# Altium PCB UmTRXv2.PcbDoc (part 12 of 25) (continued)
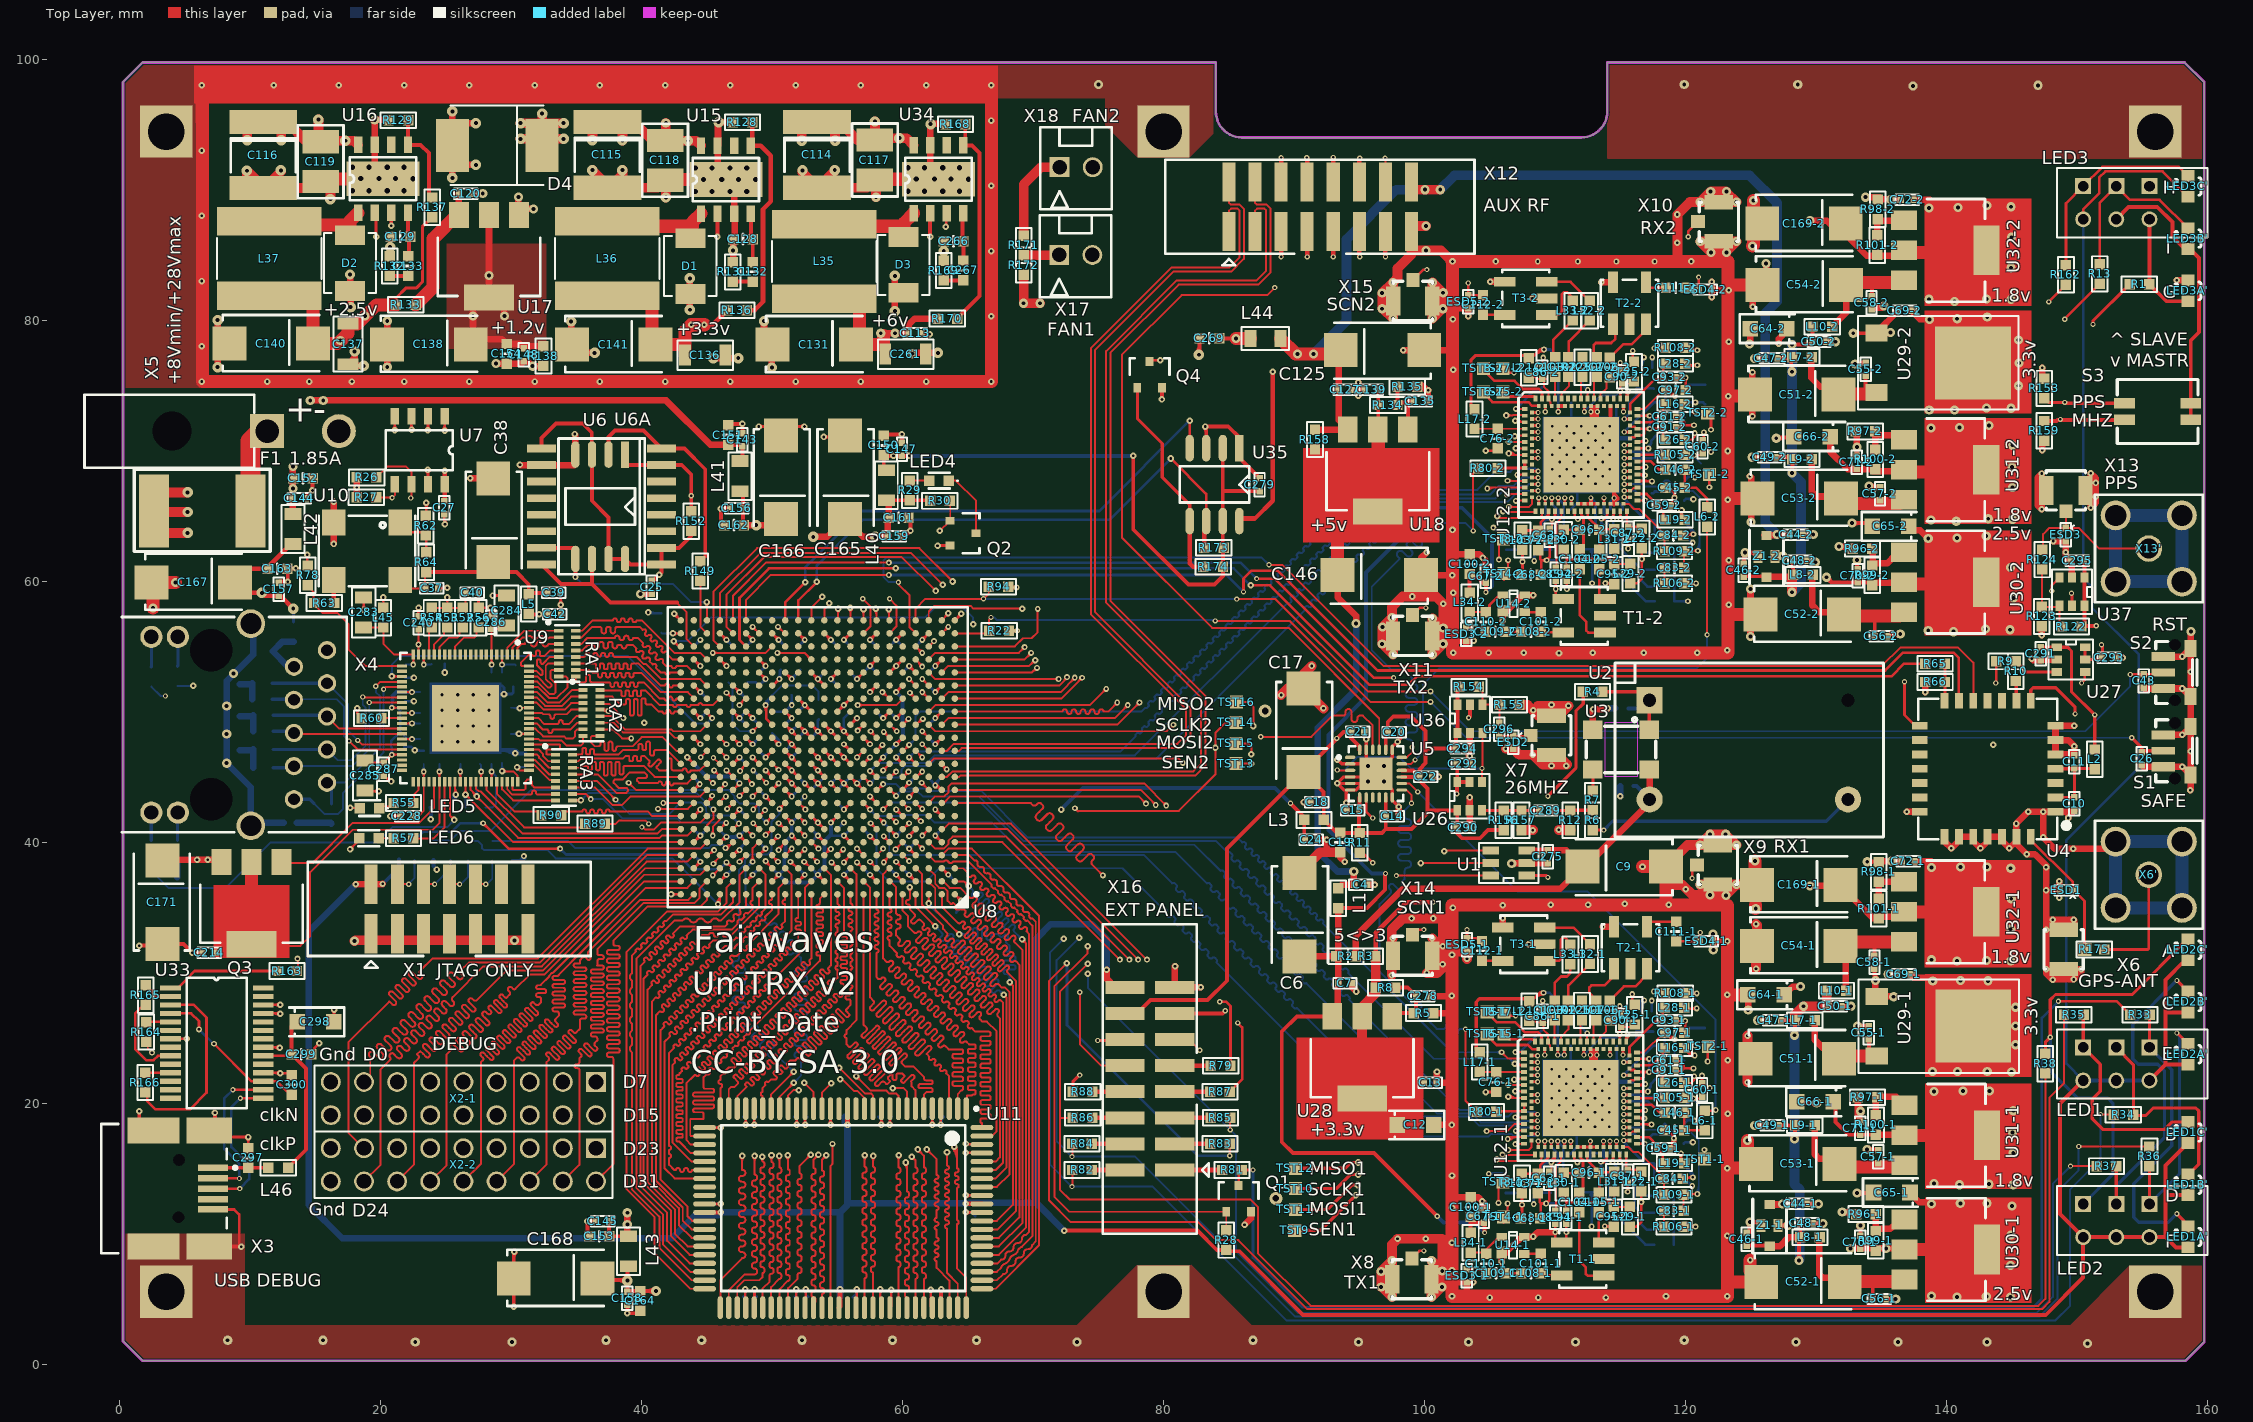
[diagram p0: Top Layer view]
## Nets (pads, with @x,y where several pads share a name; then routed paths per layer and width w, separated by ;. In a path a pad name is that pad's centre, name@x,y a point inside that pad or via, vN(x,y) a via of type N, cw(c..) or ccw(c..) an arc to the next point about the centre after c; other vN are vias at no path point) (continued)
  Bottom Layer w0.75: 128.327,26.77 128.35,26.792 ; 128.35,26.825 128.35,26.792 ; v3@128.75,8 128.75,13.375 128.35,13.775 v3(128.35,17.25) v3(128.35,25.2) 128.35,26.792 ; v3@128.965,27.407 128.35,26.792
NetC46-2_1: C46-2.1 C47-2.1 C48-2.1 C49-2.1 C50-2.1 L7-2.1 L8-2.1 L9-2.1 L10-2.1 Z1-2.3 | length 37.5
  Top Layer w0.3: C46-2.1@124.49,60.376 125.99,60.376 Z1-2.3@126.04,60.326 ; C49-2.1@126.988,69.516 128.184,69.516 128.184,68.334 v3(128.15,68.3) ; C47-2.1@127.096,77.066 L7-2.1@128.1,77.066 ; L7-2.1@128.1,77.1 L7-2.1@128.1,77.066 ; L7-2.1@128.14,77.076 128.13,77.066 L7-2.1@128.1,77.066 ; L8-2.1@128.15,60.386 L8-2.1@128.24,60.476 C48-2.1@128.24,61.526 ; v3(128.15,76.05) 128.1,76.1 L7-2.1@128.1,77.066 ; v3(128.15,78.15) 129.525,78.15 C50-2.1@129.725,78.35 L10-2.1@129.725,79.5 ; v3@128.009,68.441 ccw(c127.584,68.866) 128.184,68.866 ; v3@128.009,68.441 ccw(c127.584,68.866) 128.184,68.866 ; v3@128.009,68.441 ccw(c127.584,68.866) 128.184,68.866 ; v3@128.009,76.191 ccw(c127.788,76.412) 128.1,76.412 ; v3@128.009,76.191 ccw(c127.788,76.412) 128.1,76.412 ; v3@128.009,76.191 ccw(c127.788,76.412) 128.1,76.412 ; 128.1,76.654 ccw(c128.754,76.654) v3@128.291,76.191 ; 128.1,76.654 ccw(c128.754,76.654) v3@128.291,76.191 ; 128.1,76.654 ccw(c128.754,76.654) v3@128.291,76.191 ; 128.184,68.7 ccw(c128.55,68.7) v3@128.291,68.441 ; 128.184,68.7 ccw(c128.55,68.7) v3@128.291,68.441 ; 128.184,68.7 ccw(c128.55,68.7) v3@128.291,68.441
  Top Layer w0.5: Z1-2.3@126.04,60.326 L8-2.1@128.04,60.326
  Top Layer w0.75: v3(128.15,59.15) L8-2.1@128.15,60.386
  Bottom Layer w0.75: v3(128.15,59.15) 128.85,59.85 128.85,67.6 v3(128.15,68.3) v3(128.15,76.05) v3(128.15,78.15)
NetC51-1_1: C51-1.1 C55-1.1 L7-1.2 U29-1.3 | length 7.9
  Top Layer w0.3: U29-1.3@134.05,23.745 C55-1.1@134.05,24.9 ; U29-1.3@134.512,23.613 U29-1.3@134.644,23.745
  Top Layer w0.5: L7-1.2@129.89,26.363 129.89,24.868 C51-1.1@130.57,24.187 ; C51-1.1@130.791,23.613 C51-1.1@132.74,23.613
  Top Layer w1: C51-1.1@132.44,23.313 132.74,23.613 U29-1.3@134.512,23.613
NetC51-2_1: C51-2.1 C55-2.1 L7-2.2 U29-2.3 | length 7.8
  Top Layer w0.3: U29-2.3@133.8,74.75 C55-2.1@133.8,75.75 C55-2.1@133.8,75.803 ; U29-2.3@134.262,74.326 U29-2.3@134.394,74.458
  Top Layer w0.5: L7-2.2@129.64,77.076 129.64,75.581 130.32,74.9 C51-2.1@132.27,74.9
  Top Layer w1: C51-2.1@132.19,74.026 132.49,74.326 U29-2.3@134.262,74.326
NetC52-1_1: C52-1.1 C56-1.1 L8-1.2 U30-1.3 | length 9.6
  Top Layer w0.3: C56-1.1@134.348,4.989 134.348,6.291 ; 134.802,6.409 134.865,6.346
  Top Layer w0.5: L8-1.2@130.25,9.631 130.25,6.868 130.491,6.627 C52-1.1@131.222,6.627
  Top Layer w1: C52-1.1@132.505,6.346 134.865,6.346 136.655,6.346 U30-1.3@136.79,6.481
NetC52-2_1: C52-2.1 C56-2.1 L8-2.2 U30-2.3 | length 10.9
  Top Layer w0.3: C56-2.1@134.498,55.794 134.498,57.096 ; 134.552,57.404 134.615,57.341
  Top Layer w0.5: L8-2.2@129.69,60.476 129.69,58.173 130.241,57.623 130.972,57.623 C52-2.1@131.946,56.648
  Top Layer w1: C52-2.1@132.255,57.341 134.615,57.341 136.405,57.341 U30-2.3@136.54,57.476
NetC53-1_1: C53-1.1 C57-1.1 L9-1.2 U31-1.3 | length 8.9
  Top Layer w0.3: 134.729,15.024 134.794,15.089
  Top Layer w0.5: L9-1.2@129.884,18.316 129.884,16.094 130.239,15.739 C53-1.1@131.578,15.739 ; C53-1.1@131.628,15.089 C53-1.1@132.34,14.377
  Top Layer w1: C53-1.1@133.083,15.089 134.794,15.089 136.652,15.089 U31-1.3@136.79,15.227
NetC53-2_1: C53-2.1 C57-2.1 L9-2.2 U31-2.3 | length 8.4
  Top Layer w0.3: 134.479,65.874 134.544,65.939
  Top Layer w0.5: L9-2.2@129.684,69.516 129.684,66.843 130.039,66.489 C53-2.1@131.378,66.489
  Top Layer w1: C53-2.1@132.833,65.939 134.544,65.939 136.402,65.939 U31-2.3@136.54,66.076
NetC54-1_1: C54-1.1 C58-1.1 L10-1.2 U32-1.3 | length 8.9
  Top Layer w0.3: C58-1.1@134.477,31.311 134.477,32.356
  Top Layer w0.5: L10-1.2@132.29,28.65 C54-1.1@132.29,32.006
  Top Layer w1: C54-1.1@132.29,32.356 134.477,32.356 U32-1.3@136.74,32.356
NetC54-2_1: C54-2.1 C58-2.1 L10-2.2 U32-2.3 | length 9.5
  Top Layer w0.3: C58-2.1@134.287,81.855 134.287,82.9
  Top Layer w0.5: L10-2.2@131.225,79.5 132.3,80.575 C54-2.1@132.3,82.7
  Top Layer w1: C54-2.1@132.1,82.55 132.1,82.9 134.287,82.9 U32-2.3@136.55,82.9
NetC59-1_2: C59-1.2 L19-1.1 U12-1.61 | length 3.2
  Top Layer w0.2: U12-1.61@116.282,17.388 117.187,17.388 117.825,16.75 117.825,16.544 118.257,16.112 118.257,15.738 L19-1.1@118.407,15.588
NetC59-2_2: C59-2.2 L19-2.1 U12-2.61 | length 3.1
  Top Layer w0.2: U12-2.61@116.321,66.68 117.02,66.68 118.296,65.404 118.296,65.03 L19-2.1@118.446,64.88
NetC60-1_2: C60-1.2 L18-1.1 R104-1.1 R105-1.1 | length 11.4
  Top Layer w0.15: R105-1.1@119.962,20.358 v2(120.611,20.358) C60-1.2@121.211,20.358 ; C60-1.2@121.211,20.558 C60-1.2@121.261,20.508 ; R105-1.1@120.249,20.358 cw(c120.249,19.996) v2@120.505,20.252 ; R105-1.1@120.249,20.358 ccw(c120.249,20.72) v2@120.505,20.464 ; R105-1.1@120.249,20.358 ccw(c120.249,20.72) v2@120.505,20.464 ; R105-1.1@120.249,20.358 cw(c120.249,19.996) v2@120.505,20.252 ; R105-1.1@120.249,20.358 ccw(c120.249,20.72) v2@120.505,20.464 ; R105-1.1@120.249,20.358 cw(c120.249,19.996) v2@120.505,20.252 ; v2@120.717,20.252 cw(c120.973,19.996) 120.973,20.358 ; v2@120.717,20.252 cw(c120.973,19.996) 120.973,20.358 ; v2@120.717,20.252 cw(c120.973,19.996) 120.973,20.358 ; v2@120.717,20.464 ccw(c120.973,20.72) 120.973,20.358 ; v2@120.717,20.464 ccw(c120.973,20.72) 120.973,20.358 ; v2@120.717,20.464 ccw(c120.973,20.72) 120.973,20.358
  Bottom Layer w0.15: R104-1.1@120.061,20.008 120.211,20.008 120.561,20.358 v2(120.611,20.358) ; L18-1.1@121.161,19.708 120.611,20.258 v2(120.611,20.358) ; R104-1.1@120.27,20.067 cw(c120.611,19.725) v2@120.611,20.208 ; R104-1.1@120.27,20.067 cw(c120.611,19.725) v2@120.611,20.208 ; R104-1.1@120.27,20.067 cw(c120.611,19.725) v2@120.611,20.208 ; 120.39,20.188 ccw(c120.22,20.358) v2@120.461,20.358 ; 120.39,20.188 ccw(c120.22,20.358) v2@120.461,20.358 ; 120.39,20.188 ccw(c120.22,20.358) v2@120.461,20.358 ; 120.392,20.15 ccw(c120.311,20.454) v2(120.611,20.358) ; 120.392,20.15 ccw(c120.311,20.454) v2(120.611,20.358) ; 120.392,20.15 ccw(c120.311,20.454) v2(120.611,20.358) ; v2(120.611,20.358) cw(c120.466,20.013) 120.828,20.11 ; v2(120.611,20.358) cw(c120.466,20.013) 120.828,20.11 ; v2(120.611,20.358) cw(c120.466,20.013) 120.828,20.11 ; v2@120.761,20.358 ccw(c121.365,20.358) L18-1.1@120.938,19.931 ; v2@120.761,20.358 ccw(c121.365,20.358) L18-1.1@120.938,19.931 ; v2@120.761,20.358 ccw(c121.365,20.358) L18-1.1@120.938,19.931
NetC60-2_2: C60-2.2 L18-2.1 R104-2.1 R105-2.1 | length 11.4
  Top Layer w0.15: R105-2.1@120.001,69.65 v2(120.65,69.65) C60-2.2@121.25,69.65 ; C60-2.2@121.25,69.85 C60-2.2@121.3,69.8 ; R105-2.1@120.288,69.65 cw(c120.288,69.288) v2@120.544,69.544 ; R105-2.1@120.288,69.65 ccw(c120.288,70.012) v2@120.544,69.756 ; R105-2.1@120.288,69.65 ccw(c120.288,70.012) v2@120.544,69.756 ; R105-2.1@120.288,69.65 cw(c120.288,69.288) v2@120.544,69.544 ; R105-2.1@120.288,69.65 ccw(c120.288,70.012) v2@120.544,69.756 ; R105-2.1@120.288,69.65 cw(c120.288,69.288) v2@120.544,69.544 ; v2@120.756,69.544 cw(c121.012,69.288) 121.012,69.65 ; v2@120.756,69.544 cw(c121.012,69.288) 121.012,69.65 ; v2@120.756,69.544 cw(c121.012,69.288) 121.012,69.65 ; v2@120.756,69.756 ccw(c121.012,70.012) 121.012,69.65 ; v2@120.756,69.756 ccw(c121.012,70.012) 121.012,69.65 ; v2@120.756,69.756 ccw(c121.012,70.012) 121.012,69.65
  Bottom Layer w0.15: R104-2.1@120.1,69.3 120.25,69.3 120.6,69.65 v2(120.65,69.65) ; L18-2.1@121.2,69 120.65,69.55 v2(120.65,69.65) ; R104-2.1@120.309,69.359 cw(c120.65,69.017) v2@120.65,69.5 ; R104-2.1@120.309,69.359 cw(c120.65,69.017) v2@120.65,69.5 ; R104-2.1@120.309,69.359 cw(c120.65,69.017) v2@120.65,69.5 ; 120.429,69.479 ccw(c120.259,69.65) v2@120.5,69.65 ; 120.429,69.479 ccw(c120.259,69.65) v2@120.5,69.65 ; 120.429,69.479 ccw(c120.259,69.65) v2@120.5,69.65 ; 120.431,69.441 ccw(c120.35,69.746) v2(120.65,69.65) ; 120.431,69.441 ccw(c120.35,69.746) v2(120.65,69.65) ; 120.431,69.441 ccw(c120.35,69.746) v2(120.65,69.65) ; v2(120.65,69.65) cw(c120.505,69.305) 120.867,69.402 ; v2(120.65,69.65) cw(c120.505,69.305) 120.867,69.402 ; v2(120.65,69.65) cw(c120.505,69.305) 120.867,69.402 ; v2@120.8,69.65 ccw(c121.404,69.65) L18-2.1@120.977,69.223 ; v2@120.8,69.65 ccw(c121.404,69.65) L18-2.1@120.977,69.223 ; v2@120.8,69.65 ccw(c121.404,69.65) L18-2.1@120.977,69.223
NetC61-1_2: C61-1.2 L16-1.1 U12-1.83 | length 3.2
  Top Layer w0.2: U12-1.83@116.282,22.888 117.407,22.888 117.707,23.188 118.257,23.188 118.257,24.038 L16-1.1@118.407,24.188
NetC61-2_2: C61-2.2 L16-2.1 U12-2.83 | length 3.2
  Top Layer w0.2: U12-2.83@116.321,72.18 117.446,72.18 117.746,72.48 118.296,72.48 118.296,73.33 L16-2.1@118.446,73.48
NetC62-1_2: C62-1.2 L11-1.1 U12-1.35 | length 4.5
  Top Layer w0.2: U12-1.35@109.707,16.638 v4@109.707,17.063 ; v4@109.636,17.017 cw(c109.466,16.847) 109.707,16.847 ; v4@109.636,17.017 cw(c109.466,16.847) 109.707,16.847 ; v4@109.636,17.017 cw(c109.466,16.847) 109.707,16.847 ; 109.707,16.847 cw(c109.948,16.847) v4@109.778,17.017 ; 109.707,16.847 cw(c109.948,16.847) v4@109.778,17.017 ; 109.707,16.847 cw(c109.948,16.847) v4@109.778,17.017
  Bottom Layer w0.2: L11-1.1@109.657,14.638 110.211,15.192 110.211,16.134 109.707,16.638 v4(109.707,17.088) v4@109.657,17.038
NetC62-2_2: C62-2.2 L11-2.1 U12-2.35 | length 4.5
  Top Layer w0.2: U12-2.35@109.746,65.93 v4@109.746,66.355 ; v4@109.675,66.309 cw(c109.505,66.138) 109.746,66.138 ; v4@109.675,66.309 cw(c109.505,66.138) 109.746,66.138 ; v4@109.675,66.309 cw(c109.505,66.138) 109.746,66.138 ; 109.746,66.138 cw(c109.987,66.138) v4@109.817,66.309 ; 109.746,66.138 cw(c109.987,66.138) v4@109.817,66.309 ; 109.746,66.138 cw(c109.987,66.138) v4@109.817,66.309
  Bottom Layer w0.2: L11-2.1@109.696,63.93 110.25,64.484 110.25,65.4 C62-2.2@110.175,65.475 109.746,65.904 v4(109.746,66.38) v4@109.696,66.33
NetC63-1_2: C63-1.2 L20-1.1 U12-1.33 U12-1.36 | length 15.3
  Top Layer w0.15: C63-1.2@109.557,14.738 109.711,14.892 v2(109.711,15.458) ; v2@109.605,15.352 cw(c109.349,15.096) 109.711,15.096 ; v2@109.605,15.352 cw(c109.349,15.096) 109.711,15.096 ; v2@109.605,15.352 cw(c109.349,15.096) 109.711,15.096 ; 109.711,15.096 cw(c110.073,15.096) v2@109.817,15.352 ; 109.711,15.096 cw(c110.073,15.096) v2@109.817,15.352 ; 109.711,15.096 cw(c110.073,15.096) v2@109.817,15.352
  Top Layer w0.2: U12-1.33@109.207,16.638 v4@109.207,17.063 ; v2(109.711,15.458) 109.761,15.408 109.957,15.604 ; v4@109.136,17.017 cw(c108.966,16.847) 109.207,16.847 ; v4@109.136,17.017 cw(c108.966,16.847) 109.207,16.847 ; v4@109.136,17.017 cw(c108.966,16.847) 109.207,16.847 ; 109.207,16.847 cw(c109.448,16.847) v4@109.278,17.017 ; 109.207,16.847 cw(c109.448,16.847) v4@109.278,17.017 ; 109.207,16.847 cw(c109.448,16.847) v4@109.278,17.017 ; v2@109.654,15.57 ccw(c109.403,16.063) U12-1.36@109.957,16.063 ; v2@109.654,15.57 ccw(c109.403,16.063) U12-1.36@109.957,16.063 ; v2@109.654,15.57 ccw(c109.403,16.063) U12-1.36@109.957,16.063 ; v2@109.745,15.391 ccw(c109.569,15.737) 109.957,15.737 ; v2@109.745,15.391 ccw(c109.569,15.737) 109.957,15.737 ; v2@109.745,15.391 ccw(c109.569,15.737) 109.957,15.737 ; v2@109.765,15.571 ccw(c109.837,15.724) 109.957,15.604 ; v2@109.765,15.571 ccw(c109.837,15.724) 109.957,15.604 ; v2@109.765,15.571 ccw(c109.837,15.724) 109.957,15.604 ; v2@109.824,15.511 cw(c110.025,15.605) 109.877,15.77 ; v2@109.824,15.511 cw(c110.025,15.605) 109.877,15.77 ; v2@109.824,15.511 cw(c110.025,15.605) 109.877,15.77 ; 109.957,15.604 U12-1.36@109.957,16.063
  Bottom Layer w0.15: v4(109.207,17.088) 109.211,17.084 109.211,15.408 ; v4@109.119,17 cw(c108.895,16.777) 109.211,16.777 ; v4@109.119,17 cw(c108.895,16.777) 109.211,16.777 ; v4@109.119,17 cw(c108.895,16.777) 109.211,16.777 ; 109.211,16.796 cw(c109.499,16.796) v4@109.295,17 ; 109.211,16.796 cw(c109.499,16.796) v4@109.295,17 ; 109.211,16.796 cw(c109.499,16.796) v4@109.295,17
  Bottom Layer w0.2: L20-1.1@108.557,14.638 108.557,14.704 109.211,15.358 109.211,15.408 109.761,15.408 v2(109.711,15.458) ; 109.289,15.408 ccw(c109.289,15.88) v2@109.623,15.547 ; 109.289,15.408 ccw(c109.289,15.88) v2@109.623,15.547 ; 109.289,15.408 ccw(c109.289,15.88) v2@109.623,15.547
NetC63-2_2: C63-2.2 L20-2.1 U12-2.33 U12-2.36 | length 12.6
  Top Layer w0.15: C63-2.2@109.596,64.03 109.75,64.184 v2(109.75,64.75) ; v2@109.644,64.644 cw(c109.388,64.388) 109.75,64.388 ; v2@109.644,64.644 cw(c109.388,64.388) 109.75,64.388 ; v2@109.644,64.644 cw(c109.388,64.388) 109.75,64.388 ; 109.75,64.388 cw(c110.112,64.388) v2@109.856,64.644 ; 109.75,64.388 cw(c110.112,64.388) v2@109.856,64.644 ; 109.75,64.388 cw(c110.112,64.388) v2@109.856,64.644
  Top Layer w0.2: U12-2.33@109.246,65.93 v4@109.246,66.355 ; v2(109.75,64.75) 109.8,64.7 109.996,64.896 ; U12-2.36@109.996,65.355 109.996,64.896 ; v4@109.175,66.309 cw(c109.005,66.138) 109.246,66.138 ; v4@109.175,66.309 cw(c109.005,66.138) 109.246,66.138 ; v4@109.175,66.309 cw(c109.005,66.138) 109.246,66.138 ; 109.246,66.138 cw(c109.487,66.138) v4@109.317,66.309 ; 109.246,66.138 cw(c109.487,66.138) v4@109.317,66.309 ; 109.246,66.138 cw(c109.487,66.138) v4@109.317,66.309 ; v2@109.784,64.683 ccw(c109.608,65.029) 109.996,65.029 ; v2@109.784,64.683 ccw(c109.608,65.029) 109.996,65.029 ; v2@109.784,64.683 ccw(c109.608,65.029) 109.996,65.029 ; v2@109.804,64.863 ccw(c109.876,65.016) 109.996,64.896 ; v2@109.804,64.863 ccw(c109.876,65.016) 109.996,64.896 ; v2@109.804,64.863 ccw(c109.876,65.016) 109.996,64.896
  Bottom Layer w0.15: v4(109.246,66.38) 109.25,66.376 109.25,64.7 ; v4@109.158,66.291 cw(c108.934,66.068) 109.25,66.068 ; v4@109.158,66.291 cw(c108.934,66.068) 109.25,66.068 ; v4@109.158,66.291 cw(c108.934,66.068) 109.25,66.068 ; 109.25,66.088 cw(c109.538,66.088) v4@109.334,66.291 ; 109.25,66.088 cw(c109.538,66.088) v4@109.334,66.291 ; 109.25,66.088 cw(c109.538,66.088) v4@109.334,66.291
  Bottom Layer w0.2: L20-2.1@108.596,63.93 108.596,63.996 109.25,64.65 109.25,64.7 109.8,64.7 v2(109.75,64.75) ; 109.328,64.7 ccw(c109.328,65.172) v2@109.662,64.838 ; 109.328,64.7 ccw(c109.328,65.172) v2@109.662,64.838 ; 109.328,64.7 ccw(c109.328,65.172) v2@109.662,64.838
NetC73-1_1: C73-1.1 C78-1.1 L14-1.2 U12-1.60 | length 7.1
  Top Layer w0.2: v4@115.282,17.138 U12-1.60@115.707,17.138 ; v4@115.328,17.067 cw(c115.498,16.897) 115.498,17.138 ; v4@115.328,17.067 cw(c115.498,16.897) 115.498,17.138 ; v4@115.328,17.067 cw(c115.498,16.897) 115.498,17.138 ; v4@115.328,17.209 ccw(c115.498,17.379) 115.498,17.138 ; v4@115.328,17.209 ccw(c115.498,17.379) 115.498,17.138 ; v4@115.328,17.209 ccw(c115.498,17.379) 115.498,17.138
  Bottom Layer w0.2: v4(115.257,17.138) 115.257,17.038 116.907,15.388 C73-1.1@117.557,15.388 117.607,15.338 L14-1.2@117.607,14.088 ; v4@115.357,17.138 ccw(c115.84,17.138) 115.498,16.797 ; v4@115.357,17.138 ccw(c115.84,17.138) 115.498,16.797 ; v4@115.357,17.138 ccw(c115.84,17.138) 115.498,16.797
NetC73-2_1: C73-2.1 C78-2.1 L14-2.2 U12-2.60 | length 7.1
  Top Layer w0.2: v4@115.321,66.43 U12-2.60@115.746,66.43 ; v4@115.367,66.359 cw(c115.537,66.188) 115.537,66.43 ; v4@115.367,66.359 cw(c115.537,66.188) 115.537,66.43 ; v4@115.367,66.359 cw(c115.537,66.188) 115.537,66.43 ; v4@115.367,66.501 ccw(c115.537,66.671) 115.537,66.43 ; v4@115.367,66.501 ccw(c115.537,66.671) 115.537,66.43 ; v4@115.367,66.501 ccw(c115.537,66.671) 115.537,66.43
  Bottom Layer w0.2: v4(115.296,66.43) 115.296,66.33 116.946,64.68 C73-2.1@117.596,64.68 117.646,64.63 L14-2.2@117.646,63.38 ; v4@115.396,66.43 ccw(c115.879,66.43) 115.537,66.088 ; v4@115.396,66.43 ccw(c115.879,66.43) 115.537,66.088 ; v4@115.396,66.43 ccw(c115.879,66.43) 115.537,66.088
NetC74-1_1: C74-1.1 L12-1.2 U12-1.37 | length 6.2
  Top Layer w0.2: U12-1.37@110.207,16.638 v4@110.207,17.063 ; v4@110.136,17.017 cw(c109.966,16.847) 110.207,16.847 ; v4@110.136,17.017 cw(c109.966,16.847) 110.207,16.847 ; v4@110.136,17.017 cw(c109.966,16.847) 110.207,16.847 ; 110.207,16.847 cw(c110.448,16.847) v4@110.278,17.017 ; 110.207,16.847 cw(c110.448,16.847) v4@110.278,17.017 ; 110.207,16.847 cw(c110.448,16.847) v4@110.278,17.017
  Bottom Layer w0.2: v4(110.207,17.088) 110.207,17.022 110.636,16.593 110.636,14.759 C74-1.1@110.757,14.638 L12-1.2@111.757,14.638 ; v4@110.307,17.088 ccw(c110.707,17.088) 110.424,16.805 ; v4@110.307,17.088 ccw(c110.707,17.088) 110.424,16.805 ; v4@110.307,17.088 ccw(c110.707,17.088) 110.424,16.805
NetC74-2_1: C74-2.1 L12-2.2 U12-2.37 | length 6.2
  Top Layer w0.2: U12-2.37@110.246,65.93 v4@110.246,66.355 ; v4@110.175,66.309 cw(c110.005,66.138) 110.246,66.138 ; v4@110.175,66.309 cw(c110.005,66.138) 110.246,66.138 ; v4@110.175,66.309 cw(c110.005,66.138) 110.246,66.138 ; 110.246,66.138 cw(c110.487,66.138) v4@110.317,66.309 ; 110.246,66.138 cw(c110.487,66.138) v4@110.317,66.309 ; 110.246,66.138 cw(c110.487,66.138) v4@110.317,66.309
  Bottom Layer w0.2: v4(110.246,66.38) 110.246,66.314 110.675,65.885 110.675,64.051 C74-2.1@110.796,63.93 L12-2.2@111.796,63.93 ; v4@110.346,66.38 ccw(c110.746,66.38) 110.463,66.097 ; v4@110.346,66.38 ccw(c110.746,66.38) 110.463,66.097 ; v4@110.346,66.38 ccw(c110.746,66.38) 110.463,66.097
NetC75-1_1: C75-1.1 C79-1.1 L15-1.2 U12-1.84 | length 6.8
  Top Layer w0.2: v4@115.282,23.138 U12-1.84@115.707,23.138 ; v4@115.328,23.067 cw(c115.498,22.897) 115.498,23.138 ; v4@115.328,23.067 cw(c115.498,22.897) 115.498,23.138 ; v4@115.328,23.067 cw(c115.498,22.897) 115.498,23.138 ; v4@115.328,23.209 ccw(c115.498,23.379) 115.498,23.138 ; v4@115.328,23.209 ccw(c115.498,23.379) 115.498,23.138 ; v4@115.328,23.209 ccw(c115.498,23.379) 115.498,23.138
  Bottom Layer w0.2: v4(115.257,23.138) 115.707,23.588 115.707,24.289 116.207,24.789 116.207,25.488 117.481,25.488 L15-1.2@117.511,25.458 ; v4@115.257,23.238 ccw(c115.257,23.479) 115.428,23.309 ; v4@115.257,23.238 ccw(c115.257,23.479) 115.428,23.309 ; v4@115.257,23.238 ccw(c115.257,23.479) 115.428,23.309 ; v4@115.357,23.138 cw(c115.598,23.138) 115.428,23.309 ; v4@115.357,23.138 cw(c115.598,23.138) 115.428,23.309 ; v4@115.357,23.138 cw(c115.598,23.138) 115.428,23.309
NetC75-2_1: C75-2.1 C79-2.1 L15-2.2 U12-2.84 | length 6.8
  Top Layer w0.2: v4@115.321,72.43 U12-2.84@115.746,72.43 ; v4@115.367,72.359 cw(c115.537,72.188) 115.537,72.43 ; v4@115.367,72.359 cw(c115.537,72.188) 115.537,72.43 ; v4@115.367,72.359 cw(c115.537,72.188) 115.537,72.43 ; v4@115.367,72.501 ccw(c115.537,72.671) 115.537,72.43 ; v4@115.367,72.501 ccw(c115.537,72.671) 115.537,72.43 ; v4@115.367,72.501 ccw(c115.537,72.671) 115.537,72.43
  Bottom Layer w0.2: v4(115.296,72.43) 115.675,72.809 115.675,73.644 116.246,74.215 116.246,74.78 117.52,74.78 L15-2.2@117.55,74.75 ; v4@115.296,72.53 ccw(c115.296,72.771) 115.467,72.601 ; v4@115.296,72.53 ccw(c115.296,72.771) 115.467,72.601 ; v4@115.296,72.53 ccw(c115.296,72.771) 115.467,72.601 ; v4@115.396,72.43 cw(c115.637,72.43) 115.467,72.601 ; v4@115.396,72.43 cw(c115.637,72.43) 115.467,72.601 ; v4@115.396,72.43 cw(c115.637,72.43) 115.467,72.601
NetC76-1_1: C76-1.1 L17-1.2 U12-1.7 | length 3.1
  Top Layer w0.15: L17-1.2@104.562,22.405 104.579,22.388 C76-1.1@105.295,22.388 ; C76-1.1@105.295,22.388 U12-1.7@107.632,22.388
NetC76-2_1: C76-2.1 L17-2.2 U12-2.7 | length 3.8
  Top Layer w0.15: L17-2.2@103.825,71.679 105.334,71.679 U12-2.7@107.671,71.68
NetC77-1_1: C77-1.1 R103-1.2 U12-1.34 | length 2.9
  Top Layer w0.2: R103-1.2@107.607,14.588 C77-1.1@108.657,14.588 108.791,14.588 108.861,14.658 108.861,15.209 109.457,15.805 U12-1.34@109.457,16.063
NetC77-2_1: C77-2.1 R103-2.2 U12-2.34 | length 2.9
  Top Layer w0.2: R103-2.2@107.646,63.88 C77-2.1@108.696,63.88 108.83,63.88 108.9,63.95 108.9,64.501 109.496,65.097 U12-2.34@109.496,65.355
NetC80-1_1: C80-1.1 L13-1.2 U12-1.74 | length 5.9
  Top Layer w0.2: v4@115.282,20.638 U12-1.74@115.707,20.638 ; v4@115.328,20.567 cw(c115.498,20.397) 115.498,20.638 ; v4@115.328,20.567 cw(c115.498,20.397) 115.498,20.638 ; v4@115.328,20.567 cw(c115.498,20.397) 115.498,20.638 ; v4@115.328,20.709 ccw(c115.498,20.879) 115.498,20.638 ; v4@115.328,20.709 ccw(c115.498,20.879) 115.498,20.638 ; v4@115.328,20.709 ccw(c115.498,20.879) 115.498,20.638
  Bottom Layer w0.2: v4(115.257,20.638) 116.457,20.638 116.632,20.463 117.482,20.463 117.807,20.788 L13-1.2@118.257,20.788 ; v4@115.328,20.567 cw(c115.498,20.397) 115.498,20.638 ; v4@115.328,20.567 cw(c115.498,20.397) 115.498,20.638 ; v4@115.328,20.567 cw(c115.498,20.397) 115.498,20.638 ; v4@115.328,20.709 ccw(c115.498,20.879) 115.498,20.638 ; v4@115.328,20.709 ccw(c115.498,20.879) 115.498,20.638 ; v4@115.328,20.709 ccw(c115.498,20.879) 115.498,20.638
NetC80-2_1: C80-2.1 L13-2.2 U12-2.74 | length 5.9
  Top Layer w0.2: v4@115.321,69.93 U12-2.74@115.746,69.93 ; v4@115.367,69.859 cw(c115.537,69.688) 115.537,69.93 ; v4@115.367,69.859 cw(c115.537,69.688) 115.537,69.93 ; v4@115.367,69.859 cw(c115.537,69.688) 115.537,69.93 ; v4@115.367,70.001 ccw(c115.537,70.171) 115.537,69.93 ; v4@115.367,70.001 ccw(c115.537,70.171) 115.537,69.93 ; v4@115.367,70.001 ccw(c115.537,70.171) 115.537,69.93
  Bottom Layer w0.2: v4(115.296,69.93) 116.496,69.93 116.671,69.755 117.521,69.755 117.846,70.08 L13-2.2@118.296,70.08 ; v4@115.367,69.859 cw(c115.537,69.688) 115.537,69.93 ; v4@115.367,69.859 cw(c115.537,69.688) 115.537,69.93 ; v4@115.367,69.859 cw(c115.537,69.688) 115.537,69.93 ; v4@115.367,70.001 ccw(c115.537,70.171) 115.537,69.93 ; v4@115.367,70.001 ccw(c115.537,70.171) 115.537,69.93 ; v4@115.367,70.001 ccw(c115.537,70.171) 115.537,69.93
NetC81-1_1: C81-1.1 U12-1.1 | length 6.5
  Top Layer w0.15: v2(106.961,23.908) 107.612,23.908 U12-1.1@107.632,23.888 ; v2@107.067,23.802 cw(c107.323,23.546) 107.323,23.908 ; v2@107.067,23.802 cw(c107.323,23.546) 107.323,23.908 ; v2@107.067,23.802 cw(c107.323,23.546) 107.323,23.908 ; v2@107.067,24.014 ccw(c107.323,24.27) 107.323,23.908 ; v2@107.067,24.014 ccw(c107.323,24.27) 107.323,23.908 ; v2@107.067,24.014 ccw(c107.323,24.27) 107.323,23.908
  Bottom Layer w0.2: v2(106.961,23.908) 106.969,23.9 107.303,23.9 C81-1.1@108.961,25.558 ; v2@107.049,23.82 cw(c107.243,23.626) 107.243,23.9 ; v2@107.049,23.82 cw(c107.243,23.626) 107.243,23.9 ; v2@107.049,23.82 cw(c107.243,23.626) 107.243,23.9 ; v2@107.049,23.997 ccw(c107.283,24.23) 107.283,23.9 ; v2@107.049,23.997 ccw(c107.283,24.23) 107.283,23.9 ; v2@107.049,23.997 ccw(c107.283,24.23) 107.283,23.9
NetC81-2_1: C81-2.1 U12-2.1 | length 5.1
  Top Layer w0.15: v2(107,73.2) 107.651,73.2 U12-2.1@107.671,73.18 ; v2@107.106,73.094 cw(c107.362,72.838) 107.362,73.2 ; v2@107.106,73.094 cw(c107.362,72.838) 107.362,73.2 ; v2@107.106,73.094 cw(c107.362,72.838) 107.362,73.2 ; v2@107.106,73.306 ccw(c107.362,73.562) 107.362,73.2 ; v2@107.106,73.306 ccw(c107.362,73.562) 107.362,73.2 ; v2@107.106,73.306 ccw(c107.362,73.562) 107.362,73.2
  Bottom Layer w0.2: v2(107,73.2) 108.471,74.671 108.821,74.671 C81-2.1@109,74.85
NetC82-1_1: C82-1.1 C83-1.1 R109-1.1 U12-1.64 | length 21
  Top Layer w0.15: C83-1.1@119.857,11.738 R109-1.1@119.857,12.988 119.907,13.038 v2(120.907,13.038) ; 120.545,13.038 cw(c120.545,12.676) v2@120.801,12.932 ; 120.545,13.038 ccw(c120.545,13.4) v2@120.801,13.144 ; 120.545,13.038 ccw(c120.545,13.4) v2@120.801,13.144 ; 120.545,13.038 cw(c120.545,12.676) v2@120.801,12.932 ; 120.545,13.038 ccw(c120.545,13.4) v2@120.801,13.144 ; 120.545,13.038 cw(c120.545,12.676) v2@120.801,12.932
  Top Layer w0.2: v4@115.282,18.138 U12-1.64@115.707,18.138 ; v4@115.328,18.067 cw(c115.498,17.897) 115.498,18.138 ; v4@115.328,18.067 cw(c115.498,17.897) 115.498,18.138 ; v4@115.328,18.067 cw(c115.498,17.897) 115.498,18.138 ; v4@115.328,18.209 ccw(c115.498,18.379) 115.498,18.138 ; v4@115.328,18.209 ccw(c115.498,18.379) 115.498,18.138 ; v4@115.328,18.209 ccw(c115.498,18.379) 115.498,18.138
  Bottom Layer w0.15: v4(115.257,18.138) 116.666,18.138 116.845,17.958 117.927,17.958 C82-1.1@118.407,18.438 119.095,17.75 120.405,17.75 121.011,17.144 121.011,13.142 v2(120.907,13.038) ; v4@115.345,18.05 cw(c115.559,17.836) 115.559,18.138 ; v4@115.345,18.05 cw(c115.559,17.836) 115.559,18.138 ; v4@115.345,18.05 cw(c115.559,17.836) 115.559,18.138 ; v4@115.345,18.226 ccw(c115.559,18.44) 115.559,18.138 ; v4@115.345,18.226 ccw(c115.559,18.44) 115.559,18.138 ; v4@115.345,18.226 ccw(c115.559,18.44) 115.559,18.138 ; v2@120.801,13.144 ccw(c120.294,13.651) 121.011,13.651 ; v2@120.801,13.144 ccw(c120.294,13.651) 121.011,13.651 ; v2@120.801,13.144 ccw(c120.294,13.651) 121.011,13.651 ; v2(120.907,13.038) ccw(c120.656,13.289) 121.011,13.289 ; v2(120.907,13.038) ccw(c120.656,13.289) 121.011,13.289 ; v2(120.907,13.038) ccw(c120.656,13.289) 121.011,13.289 ; 120.945,13.393 ccw(c121.099,13.304) v2@120.995,13.16 ; 120.945,13.393 ccw(c121.099,13.304) v2@120.995,13.16 ; 120.945,13.393 ccw(c121.099,13.304) v2@120.995,13.16
NetC82-2_1: C82-2.1 C83-2.1 R109-2.1 U12-2.64 | length 21
  Top Layer w0.15: C83-2.1@119.896,61.03 R109-2.1@119.896,62.28 119.946,62.33 v2(120.946,62.33) ; 120.584,62.33 cw(c120.584,61.968) v2@120.84,62.224 ; 120.584,62.33 ccw(c120.584,62.692) v2@120.84,62.436 ; 120.584,62.33 ccw(c120.584,62.692) v2@120.84,62.436 ; 120.584,62.33 cw(c120.584,61.968) v2@120.84,62.224 ; 120.584,62.33 ccw(c120.584,62.692) v2@120.84,62.436 ; 120.584,62.33 cw(c120.584,61.968) v2@120.84,62.224
  Top Layer w0.2: v4@115.321,67.43 U12-2.64@115.746,67.43 ; v4@115.367,67.359 cw(c115.537,67.188) 115.537,67.43 ; v4@115.367,67.359 cw(c115.537,67.188) 115.537,67.43 ; v4@115.367,67.359 cw(c115.537,67.188) 115.537,67.43 ; v4@115.367,67.501 ccw(c115.537,67.671) 115.537,67.43 ; v4@115.367,67.501 ccw(c115.537,67.671) 115.537,67.43 ; v4@115.367,67.501 ccw(c115.537,67.671) 115.537,67.43
  Bottom Layer w0.15: v4(115.296,67.43) 116.704,67.43 116.884,67.25 117.966,67.25 C82-2.1@118.446,67.73 118.67,67.73 119.475,66.925 120.561,66.925 121.05,66.436 121.05,62.434 v2(120.946,62.33) ; v4@115.384,67.341 cw(c115.598,67.128) 115.598,67.43 ; v4@115.384,67.341 cw(c115.598,67.128) 115.598,67.43 ; v4@115.384,67.341 cw(c115.598,67.128) 115.598,67.43 ; v4@115.384,67.518 ccw(c115.598,67.732) 115.598,67.43 ; v4@115.384,67.518 ccw(c115.598,67.732) 115.598,67.43 ; v4@115.384,67.518 ccw(c115.598,67.732) 115.598,67.43 ; v2@120.84,62.436 ccw(c120.333,62.943) 121.05,62.943 ; v2@120.84,62.436 ccw(c120.333,62.943) 121.05,62.943 ; v2@120.84,62.436 ccw(c120.333,62.943) 121.05,62.943 ; v2(120.946,62.33) ccw(c120.695,62.581) 121.05,62.581 ; v2(120.946,62.33) ccw(c120.695,62.581) 121.05,62.581 ; v2(120.946,62.33) ccw(c120.695,62.581) 121.05,62.581 ; 120.984,62.685 ccw(c121.138,62.596) v2@121.034,62.451 ; 120.984,62.685 ccw(c121.138,62.596) v2@121.034,62.451 ; 120.984,62.685 ccw(c121.138,62.596) v2@121.034,62.451
NetC83-1_2: C83-1.2 R106-1.2 | length 1.2
  Top Layer w0.15: R106-1.2@118.357,10.538 C83-1.2@118.357,11.738
NetC83-2_2: C83-2.2 R106-2.2 | length 1.2
  Top Layer w0.15: R106-2.2@118.396,59.83 C83-2.2@118.396,61.03
NetC84-1_2: C84-1.2 R109-1.2 U12-1.57 | length 5.4
  Top Layer w0.15: U12-1.57@115.207,16.638 115.607,16.638 116.007,16.238 116.407,16.238 118.357,14.288 R109-1.2@118.357,12.988
NetC84-2_2: C84-2.2 R109-2.2 U12-2.57 | length 5.4
  Top Layer w0.15: U12-2.57@115.246,65.93 115.646,65.93 116.046,65.53 116.446,65.53 118.396,63.58 R109-2.2@118.396,62.28
NetC85-1_2: C85-1.2 U12-1.38 | length 4.5
  Top Layer w0.15: C85-1.2@110.007,11.738 110.061,11.792 110.061,15.158 110.457,15.554 U12-1.38@110.457,16.063
NetC85-2_2: C85-2.2 U12-2.38 | length 4.5
  Top Layer w0.15: C85-2.2@110.046,61.03 110.1,61.084 110.1,64.45 110.496,64.846 U12-2.38@110.496,65.355
NetC86-1_1: C86-1.1 L21-1.1 U12-1.111 U12-1.112 | length 3.2
  Top Layer w0.15: L21-1.1@108.357,26.388 108.557,26.188 C86-1.1@109.107,26.188 ; C86-1.1@109.257,26.188 C86-1.1@109.107,26.188 ; U12-1.111@109.657,24.188 109.607,24.238 109.607,24.438 109.457,24.588 U12-1.112@109.457,24.713 109.457,25.262 109.107,25.612 C86-1.1@109.107,26.188